# KiCad board mtt_final.kicad_pcb (continued)
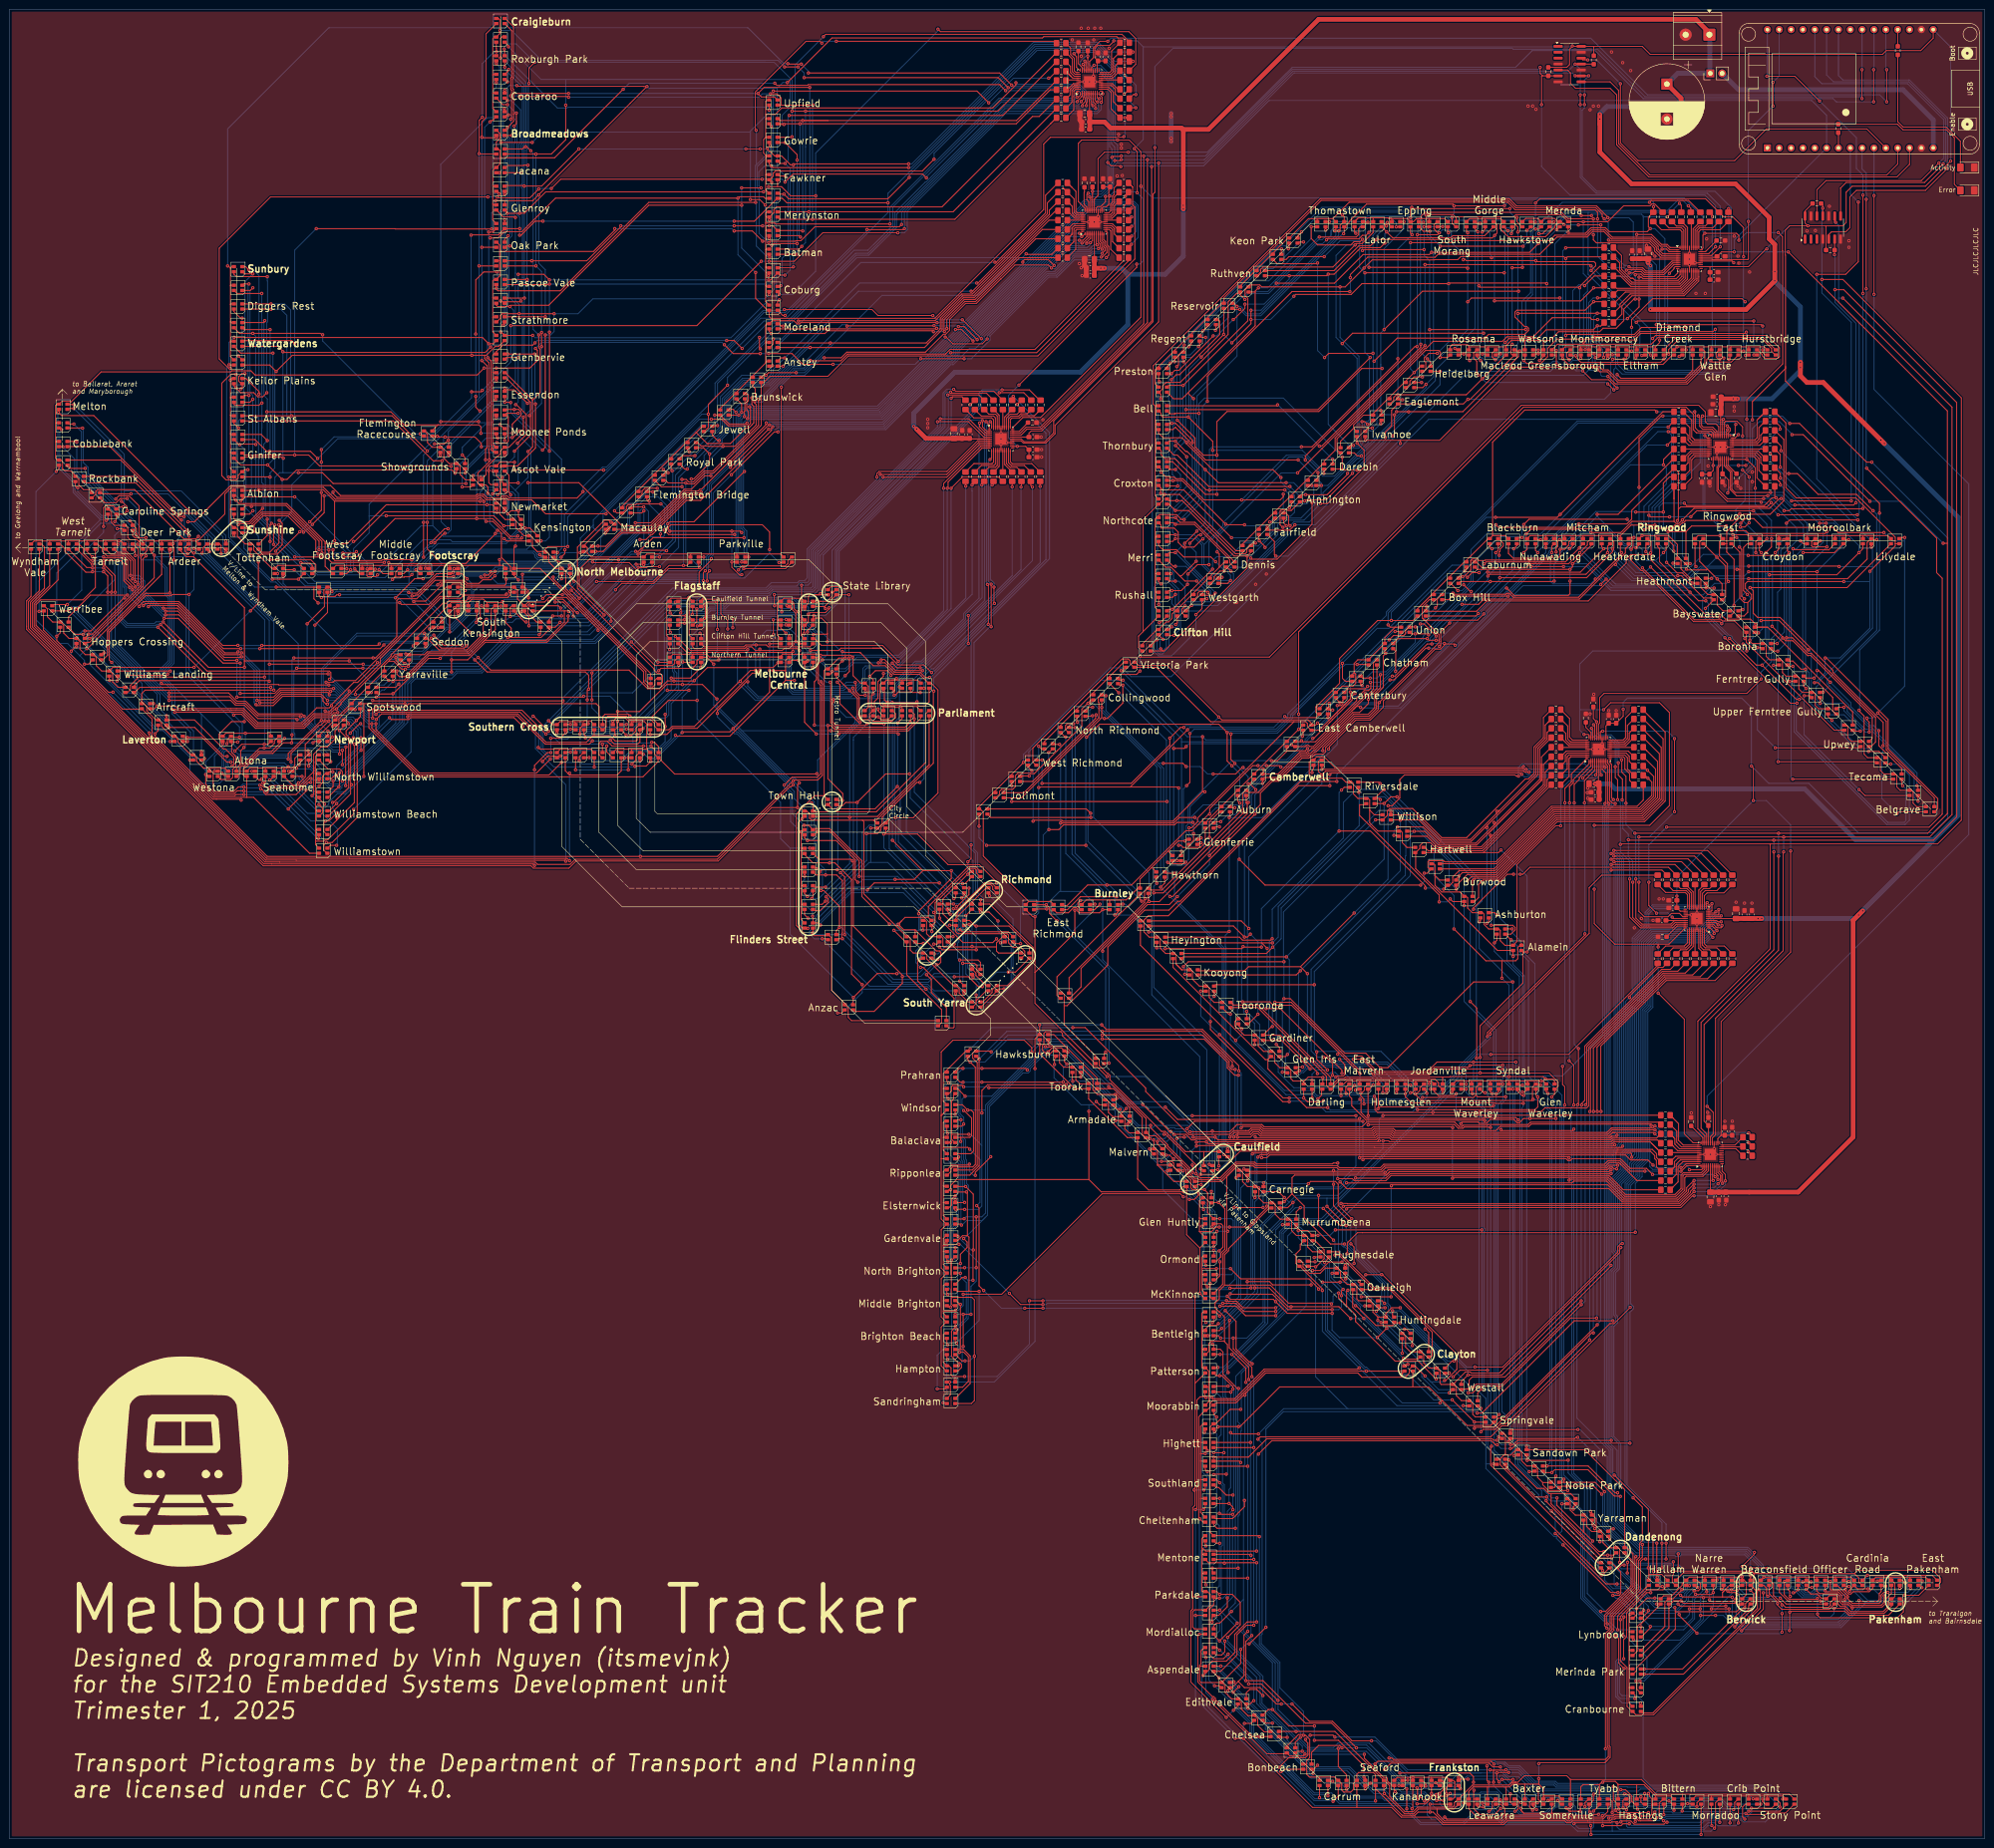
[diagram p0: board, top side]
## Routing (per net, layer and track width the routed paths; a pad name or vN(x,y) marks a point on that pad's centre or on a via; arc(x,y) is an arc through that point) (continued)
Net-(D105-GK): length 408.1
  Top w0.2: v1(207.4,333.73) 207.68,333.73 208.13,334.17 222.56,348.61 222.56,350.95 R28.2 ; v1(146.99,296.69) 144.39,296.69 D81.4 ; D129.4 96.99,268.5 v1(97.73,267.75) ; 96.09,264.5 95.68,264.09 v1(95.44,264.09) 95.44,262.16 v1(98.81,258.79) ; v1(166.24,317.67) 165.37,317.67 D75.4 ; v1(84.8,243.5) 76,243.5 ; 76,243.5 D117.4 ; 76,243.5 76,228.7 76,228.7 v1(76,227.9) ; D93.4 16.52,257.82 16.52,257.92 v1(17.02,258.42) 17.79,258.42 28.25,268.87 v1(28.25,275.35) 28.57,275.35 29.57,276.35 29.57,276.98 30.34,277.75 ; v1(139.39,274.95) D87.4 ; v1(134.81,275.55) 135.66,276.4 140.9,276.4 v1(140.9,276.3) ; R28.2 224.23,352.62 R28.2 ; D99.4 37.46,236.24 v1(38.19,236.24) 41.34,236.24 46.63,230.95 v1(47.5,230.95) ; v1(119.8,262.3) 119.8,261.22 115.27,256.69 102.06,256.69 98.27,252.9 v1(94.8,252.9) v1(94.8,250.3) ; D135.4 14.31,299.75 v1(14.46,299.6) ; D111.4 68.6,220.5 v1(70.17,222.07) ; v1(59.9,229) D105.4
  Bottom w0.2: v1(17.02,258.42) 17.29,258.42 26.89,248.82 26.89,246.68 37.34,236.24 v1(38.19,236.24) ; v1(207.4,333.73) 182.3,333.73 v1(166.24,317.67) 163.77,315.2 163.77,314.09 162.58,312.9 157.37,312.9 153.23,308.77 153.23,302.4 151.74,300.9 151.2,300.9 v1(146.99,296.69) 142.8,292.5 142.8,278.35 v1(139.39,274.95) ; v1(97.73,267.75) 97.54,267.75 96.09,266.31 96.09,264.74 v1(95.44,264.09) ; v1(84.8,243.5) 84.8,247.7 87.5,250.4 94.5,250.4 94.6,250.3 v1(94.8,250.3) ; v1(98.81,258.79) 95.66,255.64 95.66,255.36 94.8,254.5 v1(94.8,252.9) ; v1(119.8,262.3) 120.07,262.3 133.32,275.55 v1(134.81,275.55) ; v1(76,227.9) 72.3,224.2 ; 72.3,224.2 70.35,224.2 68.47,222.32 68.47,221.9 67.8,221.23 66.11,221.23 61.31,226.03 61.31,227.59 v1(59.9,229) 58.72,230.18 48.7,230.18 47.93,230.95 v1(47.5,230.95) ; 72.3,224.2 v1(70.17,222.07) ; v1(14.46,299.6) 14.46,293.22 27.29,280.39 27.31,280.39 28.61,279.09 28.61,275.71 v1(28.25,275.35)
Net-(D105-RK): length 436.9
  Top w0.2: v1(165.9,315.9) D75.1 ; 137.8,272.9 v1(139.39,272.9) ; 137.8,272.9 136.85,272.9 136.65,272.7 134.84,272.7 v1(134.81,272.72) ; 137.8,272.9 D87.1 ; 106.38,266.78 106.4,266.8 ; 106.38,266.78 v1(97.42,266.78) ; 106.38,266.78 v1(106.6,267) ; D135.1 21.55,298.65 36.55,283.65 v1(37.45,283.65) ; D129.1 96.67,266.93 97.27,266.93 v1(97.42,266.78) ; v1(74.4,239.88) 75.25,240.73 75.25,242.35 ; v1(97.42,266.78) 96.74,266.1 92.44,266.1 79.52,253.19 79.52,252.05 71.1,243.63 71.1,243.35 v1(70.12,242.38) 69.95,242.2 69.6,242.2 68.74,241.34 65.2,241.34 62.87,239.01 53.13,239.01 50.08,242.06 48.52,242.06 48.52,242.06 47.68,242.06 35.91,242.06 35.71,242.26 35.64,242.26 35.6,242.3 v1(34.86,242.3) ; R27.2 224.23,350.62 R27.2 ; R27.2 222.96,349.35 222.96,348.44 206.5,331.97 ; v1(62.74,227.9) D105.1 ; D141.1 30.45,275.96 v1(31.06,275.35) 31.06,270.51 17.21,256.66 16.46,256.66 D93.1 ; 75.2,240.68 73.41,238.89 72.2,237.68 72.2,236.9 73.16,235.94 73.16,226.3 v1(73.36,226.11) 73.16,225.91 73.16,224.13 68.43,219.4 ; v1(38.19,235.39) 37.22,235.39 ; v1(117,265.3) 118.75,265.3 120.91,263.13 v1(120.91,262.3) ; D81.1 144.77,293.84 v1(145.34,293.84) ; 96.38,263.4 96.38,262.98 v1(96.2,262.8)
  Bottom w0.2: v1(139.39,272.9) 143.49,277 143.49,291.98 v1(145.34,293.84) 145.34,293.93 153.64,302.23 153.64,308.6 157.53,312.5 162.75,312.5 165.9,315.65 v1(165.9,315.9) 165.97,315.9 182.05,331.97 v1(206.2,331.97) ; v1(62.74,227.9) 62.74,227.36 65.5,224.6 70.18,224.6 70.19,224.6 72.13,224.6 73.36,225.83 v1(73.36,226.11) ; v1(117,265.3) 115.5,266.8 106.8,266.8 v1(106.6,267) ; v1(96.2,262.8) 96.2,263.51 96.49,263.81 96.49,265.89 96.63,266.03 96.67,266.03 v1(97.42,266.78) ; v1(37.45,283.65) 37.52,283.57 37.52,275 37.52,275 31.41,275 v1(31.06,275.35) 33.82,272.6 33.82,266.98 34.49,266.31 34.49,252.48 32.8,250.79 32.8,248.49 32.85,248.45 34.86,246.44 v1(34.86,242.3) 34.86,241.34 38.84,237.36 38.84,236.03 v1(38.19,235.39) ; v1(134.81,272.72) 134.73,272.8 134,272.8 123.5,262.3 120.92,262.3 v1(120.91,262.3) ; v1(70.12,242.38) 70.52,242.38 71.17,241.73 71.17,240.84 71.4,240.61 73.68,240.61 v1(74.4,239.88)
Net-(D145-BK): length 533.8
  Top w0.2: 216.97,188.9 217.7,189.63 217.7,190.39 216.85,191.24 215.15,191.24 214.2,192.19 214.2,193.87 213.92,194.15 203.35,194.15 202.9,194.6 D211.2 ; v1(146.4,262.66) 146.5,262.75 D163.2 ; D169.2 v1(170.5,263.8) ; D145.2 4.65,266.51 3.71,265.57 3.71,260.11 3.7,260.1 3.7,259.43 54.44,208.7 111.85,208.7 112.35,208.2 119.98,208.2 121.5,209.72 151.95,209.72 163.43,221.2 v1(169,221.2) 169,226.1 169.36,226.46 v1(169.36,226.5) ; v1(130.4,239.7) 130.3,239.6 130.3,238.35 129.85,237.9 D157.2 129.83,237.47 v1(129.83,236.54) ; 172.01,266.85 D187.2 ; 172.01,266.85 173.64,266.85 v1(173.89,267.1) ; 172.01,266.85 171.63,266.85 171.3,266.52 171.3,265.05 170.6,264.35 ; v1(151.7,244.5) 148.6,247.6 v1(144.3,247.6) 140.9,247.6 135.1,241.8 v1(130.4,241.8) ; v1(201.59,195.95) 202.85,195.95 ; v1(201.2,309.73) 207.86,309.73 R42.2 ; D181.2 144.45,252.35 v1(144.35,252.45) ; v1(117.4,237.2) D151.2 ; v1(176.1,237.7) 176.15,237.65 192.68,237.65 195.4,240.37 D175.2 ; v1(171.21,195.29) 171.15,195.35 D193.2 170.05,195.35 169.1,196.3 169.1,217.95 v1(169.97,218.83) D199.2
  Bottom w0.2: v1(169.36,226.5) 169.4,226.54 169.4,226.55 168.4,227.55 167.18,227.55 156.36,238.36 ; 156.36,238.36 157.03,237.7 v1(176.1,237.7) ; 156.36,238.36 151.7,243.03 v1(151.7,244.5) ; v1(169,221.2) 169.97,220.22 v1(169.97,218.83) ; v1(130.4,239.7) v1(130.4,241.8) ; v1(117.4,237.2) 117.48,237.12 117.48,236.29 117.84,235.93 119.73,235.93 120.2,236.4 122.57,236.4 122.94,236.77 129.6,236.77 v1(129.83,236.54) ; 201.3,309.7 201.32,309.68 201.32,302.77 173.89,275.34 v1(173.89,267.1) ; v1(171.21,195.29) 180.09,204.17 191.36,204.17 199.58,195.95 v1(201.59,195.95) ; v1(144.3,247.6) 144.35,247.65 v1(144.35,252.45) 144.35,253.64 144.15,253.84 144.15,262.34 144.77,262.96 146.1,262.96 v1(146.4,262.66) 146.6,262.86 149.79,262.86 150.36,263.43 164.78,263.43 164.8,263.4 165.29,263.9 167.33,263.9 167.49,264.05 170.25,264.05 v1(170.5,263.8)
Net-(D145-GK): length 536.7
  Top w0.2: D169.4 174.09,265.45 ; 174.09,265.45 175.3,265.45 176.42,266.57 176.42,267.18 177.19,267.95 ; 174.09,265.45 v1(173.2,265.45) ; 172.46,220.29 185.86,220.29 196.45,230.88 196.45,241.32 197.13,242 ; 150.28,252.71 151.89,252.71 v1(152.08,252.9) ; 150.28,252.71 v1(151.02,251.97) ; 150.28,252.71 149.54,253.45 D181.4 ; v1(132.3,239.03) 131.23,239.03 ; v1(139.22,250.58) 139.71,251.08 146.44,251.08 147.42,252.06 147.42,252.68 148.19,253.45 ; 206.54,308.14 206.09,307.68 v1(205.99,307.68) ; v1(168.06,226.11) 167.65,225.7 167.37,225.7 151.79,210.12 121.33,210.12 120.22,209.01 113.24,209.01 112.75,209.5 58,209.5 57.98,209.52 54.8,209.52 4.51,259.81 4.51,265.24 7.54,268.26 7.54,277.11 6.9,277.75 D145.4 ; v1(154.01,259.5) 154.01,261.32 152.54,262.79 152.54,265.36 152,265.9 v1(148.75,265.9) D163.4 ; v1(120.3,239.03) 119.23,239.03 ; D199.4 172.3,221.86 v1(171.98,222.18) ; D211.4 205.83,197 207.04,195.78 v1(207.3,195.78) 214.34,195.78 218.7,191.42 D205.4 ; v1(173.9,196) 173.45,196.45 D193.4 172.3,197.81 v1(172.21,197.9) ; v1(207.3,190.7) 200,190.7 v1(199.4,191.3)
  Bottom w0.2: v1(139.22,250.58) 138.94,250.58 137.49,249.13 137.49,244.22 v1(132.3,239.03) 131.7,238.44 120.9,238.44 v1(120.3,239.03) ; v1(173.2,265.45) 169.13,265.45 168.28,266.3 153.38,266.3 153.01,265.92 148.77,265.92 v1(148.75,265.9) ; v1(207.3,190.7) v1(207.3,195.78) ; v1(176.4,267.4) 176.4,276.41 205.99,306 v1(205.99,307.68) ; v1(152.08,252.9) 154.01,254.83 v1(154.01,259.5) ; v1(172.21,197.9) 172.21,198.78 170.49,200.51 170.49,203.63 171.23,204.37 171.23,210.4 172.65,211.82 172.65,214.68 171.98,215.36 v1(171.98,222.18) 151.02,243.15 v1(151.02,251.97) ; v1(199.4,191.3) 199.4,195.2 191.66,202.94 180.46,202.94 173.9,196.37 v1(173.9,196)
Net-(D145-RK): length 523.6
  Top w0.2: 197.21,230.39 196.81,229.99 ; 196.81,229.99 197.2,230.38 D175.1 ; 196.81,229.99 186.11,219.29 180.16,219.29 ; v1(141.9,248.98) 145.98,248.98 v1(148.23,251.24) 148.3,251.3 D181.1 ; v1(151.81,259.4) 151.81,265.09 v1(151.6,265.3) 149.4,265.3 148.45,264.35 ; v1(132.24,236.77) 131.2,237.81 ; v1(182.4,239.47) 182.13,239.47 178.06,243.54 178.06,247.56 v1(177.51,248.11) ; v1(201.92,309.03) 202.23,309.33 204.26,309.33 R40.2 ; v1(202.6,184.9) 205.65,184.9 207.75,182.8 208.2,182.8 ; v1(116.1,233) 115.35,233 112.6,230.25 v1(112.6,229.3) ; v1(174.97,263.89) 174.8,264.07 174.8,264.34 ; 180.16,219.29 v1(180.16,219.09) ; 180.16,219.29 172.36,219.29 ; 174.8,264.34 172.31,264.34 ; 174.8,264.34 174.8,264.35 D187.1 v1(180,266.85) ; D145.1 6.45,267.75 4.11,265.4 4.11,259.59 54.58,209.12 56.2,209.12 56.22,209.1 112.3,209.1 v1(112.6,208.8) ; v1(172.21,194.33) 172.3,194.42 D193.1 ; 119.2,237.66 119.3,237.56 v1(119.3,237.3) 118.1,236.1 116.1,236.1 v1(116.08,236.08) ; v1(214.18,185.91) 215.71,185.91 D205.1 ; 208.2,182.8 v1(208.6,182.8) ; 208.2,182.8 208.5,182.8 ; v1(179.2,249.5) 180.1,250.4 180.1,253.18 v1(180,253.28) ; v1(178.19,207.23) 179.09,206.34 v1(179.09,193.94) ; v1(205.78,196.13) 204.93,196.13
  Bottom w0.2: v1(141.9,248.98) 141.9,246.37 132.3,236.77 v1(132.24,236.77) 131.41,237.6 120.83,237.6 120.53,237.3 v1(119.3,237.3) ; 174.49,265 174.34,264.85 169.16,264.85 168.11,265.9 153.83,265.9 153.45,265.52 151.92,265.52 151.7,265.3 v1(151.6,265.3) ; 174.49,265 174.49,264.38 v1(174.97,263.89) ; 174.49,265 174.49,275.37 201.92,302.8 v1(201.92,309.03) ; v1(205.78,196.13) 205.47,195.82 205.47,186.8 206.12,186.15 206.15,186.15 208.6,183.69 v1(208.6,182.8) 211.71,185.91 v1(214.18,185.91) ; v1(148.23,251.24) 151.81,254.81 v1(151.81,259.4) ; v1(179.2,249.5) 178.06,248.36 177.76,248.36 v1(177.51,248.11) ; v1(116.08,236.08) 116.1,236.05 v1(116.1,233) ; v1(178.19,207.23) 180.16,209.21 v1(180.16,219.09) 180.16,237.16 182.4,239.4 v1(182.4,239.47) ; v1(180,253.28) 180,266.8 ; v1(172.21,194.33) 172.6,193.94 v1(179.09,193.94) 179.09,193.91 189.31,183.69 196.99,183.69 198.2,184.9 v1(202.6,184.9) ; v1(112.6,229.3) v1(112.6,208.8)
Net-(D146-BK): length 502.7
  Top w0.2: v1(165.6,263.2) 165.6,264.15 ; D212.2 199.4,197.54 v1(199.46,197.48) 199.46,197.24 204.47,192.23 210.83,192.23 v1(211.65,193.05) ; v1(128.08,234.42) 128.08,233.14 129.32,231.9 ; D188.2 176.05,249.85 176.4,250.2 v1(176.4,250.4) ; D146.2 8.65,268.81 4.91,265.07 4.91,259.98 54.97,209.92 61.5,209.92 61.52,209.9 119.1,209.9 v1(119.3,209.7) ; D182.2 139.42,252.35 139.37,252.4 v1(139.04,252.4) ; v1(184.68,216.82) 186.08,216.82 ; v1(195.2,226.6) 194.57,226.6 187.14,219.18 187.14,217.78 186.18,216.82 ; v1(118.12,232.28) 117.78,232.28 D152.2 117.1,232.2 115.4,232.2 v1(114.3,231.1) ; v1(145.06,262.36) 142.28,262.36 v1(141.67,262.97) 141.6,263.04 D164.2 ; R45.2 215,309.2 v1(215.23,309.43) ; v1(186.33,252.27) 187.74,252.27 189.81,250.2 195.3,250.2 196.37,249.13 v1(197.3,249.13) ; v1(196.1,246.8) D176.2 ; D194.2 170.5,198.22 v1(171.22,197.49) ; v1(212.5,192.2) 213.2,192.2
  Bottom w0.2: 184.68,209.42 184.34,209.42 172.99,198.08 172.99,197.78 172.5,197.29 171.42,197.29 v1(171.22,197.49) ; 184.68,209.42 v1(184.68,216.82) ; 184.68,209.42 188.33,209.42 199.46,198.3 v1(199.46,197.48) ; v1(128.08,234.42) 127.67,234 120.28,234 118.56,232.28 v1(118.12,232.28) 115.79,232.28 114.44,233.62 114.44,237.28 122.98,245.82 133.6,245.82 137.54,249.76 137.54,249.76 138.79,251.01 138.79,251.73 139.04,251.97 v1(139.04,252.4) 139.04,260.33 v1(141.67,262.97) ; 164.6,263 168.52,263 173.14,258.38 173.14,253.25 175.99,250.4 v1(176.4,250.4) 179.2,250.4 181.07,252.27 v1(186.33,252.27) ; 164.6,263 165.4,263 v1(165.6,263.2) ; 164.6,263 151.64,263 151,262.36 151,262.36 148.75,262.36 147.97,261.58 145.82,261.58 145.06,262.34 v1(145.06,262.36) ; v1(119.3,209.7) 119.3,226.1 v1(114.3,231.1) ; v1(195.2,226.6) 195.3,226.6 196.1,227.4 v1(196.1,246.8) 196.1,247.94 v1(197.3,249.13) 197.53,249.13 205,256.6 205,256.65 205.35,257 205.4,257 223.02,274.62 223.02,301.64 v1(215.23,309.43) ; v1(211.65,193.05) v1(212.5,192.2)
Net-(D146-GK): length 493.8
  Top w0.2: v1(75.3,239.2) 75.1,239.2 v1(73.1,237.2) ; v1(183.78,215.62) 186.11,215.62 186.87,216.38 186.87,216.93 188.4,218.46 188.46,218.46 ; D194.4 174.28,200.45 v1(174.97,201.14) ; 182.48,254.38 185.23,251.64 187.8,251.64 189.64,249.8 195.13,249.8 197.03,247.9 ; 182.48,254.38 182.37,254.5 178.8,254.5 v1(178.6,254.7) ; 182.48,254.38 182.47,254.4 ; 177.53,251 177.53,251.62 v1(178.6,252.68) ; v1(169.15,263.22) 168.9,263.22 168.21,263.91 168.21,264.77 v1(167.87,265.11) 167.78,265.2 167.45,265.2 ; 133.4,256.7 138.4,251.7 142.2,251.7 142.65,252.15 142.65,252.77 143.33,253.45 ; D176.4 197.65,247.9 199.1,246.45 199.1,224.32 193.8,219.02 v1(190,219.02) 189.02,219.02 188.46,218.46 ; 188.46,218.46 D200.4 ; D206.4 214.15,194.55 204.25,194.55 v1(203.8,195) ; 131.29,233.09 130.48,233.09 v1(130.42,233.15) ; v1(116,231.6) 113,228.6 87.93,228.6 78.6,237.93 v1(78.6,239.2) ; v1(70.8,232.7) v1(70.8,235.4) ; v1(120.3,233.09) 119.29,233.09 ; D146.4 10.9,277.75 11.9,276.75 11.9,276.2 16.4,271.7 17.75,271.7 v1(17.85,271.8) 17.9,271.75 17.9,271.7 ; v1(142.8,265.3) 143.55,265.3 ; R44.2 211.06,310.54 202.86,310.54 v1(202.47,310.94) ; v1(20.2,271.8) 21.1,270.9 v1(21.1,267.4) ; v1(202.43,200.51) 201.21,200.51 ; v1(34.26,244.2) 47.47,244.2 48.47,243.2 50.37,243.2 53.27,240.3 61.4,240.3 61.6,240.1 v1(61.7,240.1)
  Bottom w0.2: v1(78.6,239.2) 78.6,239 78.18,238.58 75.92,238.58 v1(75.3,239.2) ; v1(178.6,252.68) v1(178.6,254.7) 178.29,254.7 174.09,258.89 173.19,258.89 169.15,262.94 v1(169.15,263.22) ; v1(202.47,310.94) 200.98,310.94 200.2,310.15 200.2,302.97 173.53,276.3 173.5,276.3 173.09,275.89 173.09,268.29 172.3,267.5 163.75,267.5 162.95,266.7 148.5,266.7 147.4,265.6 ; v1(70.8,232.7) 70.4,233.1 69.28,233.1 62.28,240.1 v1(61.7,240.1) ; 147.4,265.6 148.2,265.6 148.5,265.3 150.76,265.3 151.42,264.63 153.13,264.63 154,265.5 167.48,265.5 v1(167.87,265.11) ; 147.4,265.6 143.2,265.6 142.9,265.3 v1(142.8,265.3) 141.89,265.3 v1(133.35,256.75) 114.04,237.45 114.04,233.48 114.03,233.46 115.82,231.68 118.88,231.68 v1(120.3,233.09) 120.65,233.45 130.13,233.45 v1(130.42,233.15) ; v1(17.85,271.8) 20.2,271.8 ; 204.04,195.5 204.04,195.2 ; 204.04,195.5 204.04,195.24 v1(203.8,195) ; 204.04,195.5 204.04,200.16 203.6,200.6 202.52,200.6 v1(202.43,200.51) 190,212.94 v1(190,219.02) ; v1(34.26,244.2) 34.14,244.2 21.1,257.24 v1(21.1,267.4) ; v1(183.78,215.62) 183.78,209.86 175.06,201.14 v1(174.97,201.14) ; v1(70.8,235.4) 71.3,235.4 v1(73.1,237.2)
Net-(D146-RK): length 532.4
  Top w0.2: D164.1 144.03,263.72 144.03,263.07 v1(143.92,262.96) ; v1(166.7,264.5) 167.05,264.5 167.67,263.88 ; v1(166.7,264.5) 166.7,264.4 ; v1(166.7,264.5) 166.85,264.35 D170.1 167.67,263.88 ; D146.1 10.45,270.04 5.31,264.91 5.31,260.14 55.14,210.32 72.9,210.32 72.92,210.3 119.6,210.3 v1(120.1,209.8) ; v1(175.11,202.04) 175.57,201.57 175.57,200.84 173.83,199.1 172.06,199.1 172.3,199.34 ; D176.1 197.2,243.9 196.3,243 194.97,243 194.67,243.3 191.23,243.3 191.03,243.1 187.93,243.1 187.7,243.33 v1(187.56,243.33) ; 119.75,228.55 119.2,229.1 D152.1 ; 119.75,228.55 119.8,228.6 v1(120.1,228.6) ; 119.75,228.55 120.1,228.2 130.3,228.2 131.2,229.1 D158.1 131.87,231.9 v1(131.9,231.87) ; v1(143.5,251.7) 143.5,252 143.4,252.1 ; D188.1 177.3,249.16 v1(180.18,246.28) 181.8,244.66 181.8,240.42 182.16,240.07 184.15,240.07 185.09,239.13 v1(187.53,239.13) ; v1(164,266.9) 164,264.55 v1(164.05,264.5) ; R43.2 209.46,310.13 202,310.13 v1(201.8,310.33) ; D206.1 215.58,192.02 v1(216.8,192.02) ; v1(140.6,241.2) v1(140.6,238.6) ; D200.1 187.9,215.96 v1(187.47,215.52) 194.7,215.52 201.26,208.97 207.95,208.97 211.66,205.26 v1(211.66,204.99) ; v1(168.61,256.81) 168.61,262.94 167.67,263.88 ; D212.1 201.2,198.84 v1(201.73,198.31)
  Bottom w0.2: v1(187.47,215.52) 187.47,221.96 187.53,222.03 187.53,243.3 v1(187.56,243.33) ; v1(187.47,215.52) 185.57,217.42 184.38,217.42 182.84,215.88 182.84,209.77 v1(175.11,202.04) ; v1(187.47,215.52) 187.47,212.57 v1(201.73,198.31) ; v1(120.1,209.8) v1(120.1,228.6) ; v1(211.66,204.99) 216.8,199.85 v1(216.8,192.02) ; v1(164,266.9) 172.5,266.9 173.49,267.89 173.49,275.69 200.6,302.8 200.6,309.98 200.95,310.33 v1(201.8,310.33) ; 133.45,233.64 131.9,232.1 v1(131.9,231.87) ; 133.45,233.64 138.89,233.64 140.6,235.35 v1(140.6,238.6) ; 133.45,233.64 137.79,233.64 137.8,233.63 137.93,233.63 ; v1(166.7,264.5) 166.5,264.7 163.8,264.7 ; 163.8,264.7 163.85,264.7 v1(164.05,264.5) ; 163.8,264.7 154.33,264.7 153.46,263.83 150.19,263.83 149.63,263.26 146.39,263.26 146.29,263.36 144.32,263.36 v1(143.92,262.96) 143.92,262.89 143.61,262.57 143.61,252.31 143.5,252.2 v1(143.5,251.7) 143.5,246.39 140.9,243.79 140.9,241.5 v1(140.6,241.2) ; 180.2,246.2 179.98,245.98 168.02,245.98 167.24,246.76 167.24,252.93 168.61,254.3 v1(168.61,256.81)
Net-(D147-BK): length 467.2
  Top w0.2: v1(173.72,207.35) 174.23,207.86 v1(177.51,207.86) ; 207.28,179.75 209.43,181.9 D207.2 ; 207.28,179.75 v1(207.28,181) ; 207.28,179.75 207.28,179.17 206.51,178.4 ; v1(147.4,263.86) 147.4,262.38 147.38,262.36 147.38,261.12 146.61,260.35 ; 22,267.4 v1(21.9,267.4) 22,267.5 22,270.9 20.3,272.6 v1(20.2,272.6) ; D195.2 170.5,202.74 v1(171.11,202.13) ; v1(62.4,240.7) 62.4,240.7 62.2,240.9 53.23,240.9 50.53,243.6 48.63,243.6 47.23,245 v1(34.26,245) ; 177.63,220.93 176.42,220.93 D189.2 ; 177.63,220.93 v1(177.63,220.89) ; 177.63,220.93 185.61,220.93 v1(190.39,225.72) ; v1(173,237) 170.5,239.5 D183.2 171.05,252.35 171.16,252.46 v1(171.16,252.69) ; v1(170.35,258.5) 170.4,258.55 170.4,260.25 ; D147.2 16.6,272.7 17.75,272.7 v1(17.85,272.6) ; v1(205.07,198.05) 206.4,199.38 ; v1(81.5,240.5) 81.9,240.1 85.65,240.1 86.05,240.5 108.2,240.5 v1(110.1,238.6) ; v1(212.85,310.81) 218.69,310.81 220.91,308.59 ; v1(177.8,237) 178.04,237.24 190.36,237.24 v1(190.6,237) ; v1(190.45,239.36) 191.4,240.31 D177.2 ; v1(132.3,238.03) 133.27,238.03 ; v1(120.3,238.03) 121.27,238.03 ; v1(175.75,264.07) 175.7,264.01 175.7,263.77 174.95,263.02 171.63,263.02 v1(171.31,262.71) 171.31,261.05 170.61,260.35 ; v1(112.3,240.8) 112.4,240.8 115.59,237.61 v1(115.59,237.58) ; v1(71.4,233.5) v1(71.4,230.4)
  Bottom w0.2: v1(147.4,263.86) 147.46,263.8 149.6,263.8 150.03,264.23 153.29,264.23 154.16,265.1 167,265.1 167.65,264.45 171.05,264.45 171.31,264.19 v1(171.31,262.71) ; v1(147.4,263.86) 147.29,263.86 146.86,264.29 143.79,264.29 143.32,263.82 143.32,263.76 140.43,260.87 140.43,246.17 v1(132.3,238.03) v1(120.3,238.03) 116.05,238.03 v1(115.59,237.58) ; v1(147.4,263.86) 147.49,263.86 ; v1(71.4,230.4) v1(81.5,240.5) ; v1(21.9,267.4) 21.9,257.1 34,245 v1(34.26,245) ; v1(177.51,207.86) 177.63,207.98 v1(177.63,220.89) ; v1(173,237) v1(177.8,237) ; v1(207.28,181) 207.3,181.02 207.3,183.28 205.07,185.51 v1(205.07,198.05) 205.07,201.78 204.05,202.8 202.4,202.8 200.86,204.34 200.86,205.81 191.01,215.66 191.01,225.1 v1(190.39,225.72) 190.45,225.78 v1(190.45,239.36) ; v1(71.4,233.5) 69.44,233.5 62.74,240.2 62.74,240.36 v1(62.4,240.7) ; v1(17.85,272.6) 20.2,272.6 ; v1(173.72,207.35) 173.72,204.73 v1(171.11,202.13) ; v1(112.3,240.8) v1(110.1,238.6) ; v1(212.85,310.81) 208.56,310.81 207.93,310.18 207.93,307.3 177.1,276.47 177.1,265.13 176.03,264.07 v1(175.75,264.07) ; v1(170.35,258.5) 170.47,258.37 170.47,255.48 171.16,254.8 171.16,252.69 v1(171.16,252.69)
Net-(D147-GK): length 472.5
  Top w0.2: D207.4 213.98,183 219.46,188.48 219.46,191.23 210.19,200.5 D213.4 208.2,201.37 v1(208.26,201.42) ; 175.4,258.5 175.4,256.8 v1(175.37,256.77) ; 175.4,258.5 175.4,260.6 174.14,261.86 172.3,261.86 ; 175.4,258.5 175.3,258.4 172.47,258.4 v1(172.37,258.3) ; v1(20.2,274.2) 23.9,274.2 24.56,273.54 24.56,269.84 25.8,268.6 v1(25.8,268.44) ; v1(54.13,255.97) 78.97,255.97 v1(79.3,256.3) ; v1(174.97,204.13) 172.62,204.13 D195.4 ; v1(173.74,253.5) 173.69,253.45 173,253.45 ; 177.52,222.73 v1(178.61,222.73) 178.68,222.8 178.68,224.2 175.49,227.39 v1(175.49,238.8) 176.13,238.8 176.89,238.05 192.51,238.05 194.02,239.56 v1(194.02,240.2) 194.02,241.26 193.28,242 ; v1(123.9,244.3) 123.9,246.3 v1(124.2,246.6) 124.2,249.6 123.5,250.3 102.4,250.3 v1(99.8,252.9) ; 219.1,308.6 217.49,310.21 v1(212.23,310.21) ; v1(122.32,237) 122.32,237.64 122.32,237.64 122.32,238.23 123.09,239 ; v1(124.1,239.2) 123.9,239 D153.4 ; v1(172.46,262.42) 172.3,262.26 172.3,261.86 ; v1(97.06,256.02) 93.18,256.02 v1(91,258.2) ; 172.3,261.86 D171.4 ; 135.09,239 134.32,238.23 134.32,237.62 133.24,236.54 v1(133.1,236.54) ; D201.4 208.67,179.5 210.7,181.53 210.7,182.09 211.6,183 ; v1(17.85,274.2) 17.5,274.2 15.9,275.8 15.9,276.75 14.9,277.75 D147.4 ; v1(149.37,264.43) 149.2,264.25 149.2,261.96 v1(149,261.76) 148.74,261.5 148.35,261.5 ; v1(27.85,264.35) 27.85,264.5 28.73,265.38 36.35,265.38 45.74,256 v1(49,256) ; 173,253.45 173.05,253.4 173.05,248.65 172.6,248.2 v1(172.6,238.9) ; 173,253.45 D183.4
  Bottom w0.2: v1(54.13,255.97) 49.03,255.97 v1(49,256) ; v1(149,261.76) 149.2,261.96 151.17,261.96 151.81,262.6 168.21,262.6 172.2,258.61 172.2,258.47 v1(172.37,258.3) 172.2,258.3 ; v1(172.46,262.42) 174.96,262.42 177.5,264.97 177.5,276.3 208.33,307.13 208.33,310.02 208.72,310.41 212.04,310.41 v1(212.23,310.21) ; v1(25.8,268.44) 25.8,267.65 26,267.45 26,266.2 v1(27.85,264.35) ; v1(97.06,256.02) 97.4,255.67 97.4,255.3 v1(99.8,252.9) ; v1(91,258.2) 90.25,258.2 88.95,256.9 79.9,256.9 v1(79.3,256.3) ; v1(173.74,253.5) 174.8,253.5 174.8,253.5 175.37,254.07 v1(175.37,256.77) ; v1(122.32,237) 122.49,237.17 130.87,237.17 131.9,236.14 132.7,236.14 v1(133.1,236.54) ; v1(172.6,238.9) 172.7,238.8 v1(175.49,238.8) ; v1(208.26,201.42) 207.16,202.52 207.16,211.36 194.02,224.5 v1(194.02,240.2) ; v1(178.61,222.73) 176.44,220.56 176.44,205.6 v1(174.97,204.13) ; v1(20.2,274.2) 20.2,274.2 v1(17.85,274.2) ; v1(124.1,239.2) 123.9,239.4 v1(123.9,244.3) ; v1(124.2,246.6) 142.29,264.69 149.11,264.69 v1(149.37,264.43)
Net-(D147-RK): length 497.6
  Top w0.2: v1(125,235.5) 124.3,234.8 114.93,234.8 108.84,240.9 85.6,240.9 85.4,240.7 v1(85.4,240.7) ; v1(63.2,240.8) 62.7,241.3 53.4,241.3 50.7,244 48.8,244 47,245.8 v1(34.26,245.8) ; v1(216.08,307.7) 216.98,308.59 ; D171.1 171.11,259.16 v1(171.11,258.86) ; D195.1 172.3,201.98 v1(172.04,201.72) ; v1(72.16,234.2) 72.1,234.14 v1(72.1,225.9) ; D213.1 v1(208.2,198.8) 210.03,198.8 v1(211.96,196.87) ; 186.95,255.4 187.37,254.97 ; 186.95,255.4 185.1,255.4 ; 186.95,255.4 185.1,255.4 ; 186.95,255.4 187.37,254.97 ; 187.37,254.97 190.55,251.8 196.1,251.8 v1(197.73,250.17) ; v1(20.2,273.4) 20.25,273.4 22.7,270.95 v1(22.7,267.4) ; v1(128.84,235.69) 129.72,234.82 134.72,234.82 135.2,235.3 D159.1 135.46,238.16 v1(135.84,238.16) ; v1(17.8,273.4) 17.7,273.4 D147.1 ; D183.1 172.3,251.33 v1(172.21,251.24) ; v1(213.24,182.3) 212.1,182.3 D207.1 ; D177.1 193.2,239.59 v1(193.14,239.53) 192.06,238.45 177.05,238.45 176.09,239.41 176.09,248.01 v1(176,248.1) ; 185.1,255.4 178.3,255.4 177.8,254.9 v1(171.76,254.9) ; 208.3,178.4 211.7,181.8 ; v1(147.5,260.18) 148.12,260.18 ; D153.1 123.2,236.9 123.56,236.54 123.56,236.54 123.56,236.23 v1(123.5,236.17) ; v1(155.1,261.7) v1(155.1,259.8) ; D189.1 177.56,221.59 178.61,221.59 179.32,222.3 v1(181.76,222.3) 187.89,228.43 v1(192.98,228.43)
  Bottom w0.2: v1(85.4,240.7) 85.4,239.49 72.1,226.19 v1(72.1,225.9) ; v1(135.84,238.16) 138.08,240.4 140.7,240.4 141.39,241.09 141.39,243.71 146.24,248.56 146.24,257.99 147.5,259.25 v1(147.5,260.18) 154.72,260.18 v1(155.1,259.8) ; v1(63.2,240.8) 63.2,240.31 69.31,234.2 v1(72.16,234.2) ; v1(211.96,196.87) 211.96,194.65 214.78,191.83 214.78,183.85 v1(213.24,182.3) ; v1(216.08,307.7) 222.25,301.52 222.25,274.42 205.23,257.4 205.18,257.4 204.6,256.82 204.6,256.77 198.33,250.5 198.05,250.5 v1(197.73,250.17) ; v1(208.2,198.8) 207.18,198.8 206.62,199.37 206.62,209.79 193.14,223.26 193.14,228.43 ; v1(22.7,267.4) 22.7,256.9 32,247.6 32,247.6 32.35,247.24 32.36,247.24 33.8,245.8 v1(34.26,245.8) ; v1(17.8,273.4) v1(20.2,273.4) ; v1(181.76,222.3) 181.76,209.91 173.57,201.72 v1(172.04,201.72) ; 193.14,228.43 v1(192.98,228.43) ; 193.14,228.43 v1(193.14,239.53) ; v1(123.5,236.17) 123.56,236.17 124.24,235.49 128.64,235.49 v1(128.84,235.69) ; v1(155.1,261.7) 155.4,261.7 155.85,262.15 167.81,262.15 v1(171.11,258.86) 171.11,255.55 v1(171.76,254.9) 171.76,251.7 v1(172.21,251.24) 172.21,251.06 175.18,248.1 v1(176,248.1)
Net-(D148-BK): length 481.6
  Top w0.2: v1(190.85,247.08) 190.97,246.97 191.23,246.97 ; v1(49.6,255.3) 45.87,255.3 36.19,264.98 29.18,264.98 v1(28.74,264.54) ; v1(174.26,193.05) 175.3,193.05 ; v1(17.8,275) 16.65,276.15 D148.2 ; v1(189.3,252.2) 190.3,251.2 195.27,251.2 v1(195.27,251.2) ; D154.2 v1(121.4,229.3) ; D214.2 202.9,202.06 v1(202.51,201.68) ; v1(80.3,256.1) 79.5,255.3 v1(53.7,255.3) ; v1(164.8,252.3) 163.74,251.24 149.65,251.24 v1(146.85,248.44) 146.77,248.36 142.51,248.36 v1(142.5,248.37) 141.1,248.37 139.43,246.7 136.87,246.7 132.86,250.7 103.2,250.7 v1(100.5,253.4) ; v1(98,255.9) 97.52,255.42 92.58,255.42 v1(90.45,257.55) ; v1(216.89,289.97) 217,290.08 R51.2 ; D208.2 206.4,185.04 v1(206.62,184.82) ; v1(166.49,258.62) 165.4,259.72 D172.2 ; v1(183.94,203.54) 185.44,205.04 v1(199.38,205.04) ; v1(20.2,275) 20.44,274.76 24.27,274.76 24.97,274.07 24.97,270.13 26.4,268.7 v1(26.4,267.9) ; v1(141.72,258.8) 141.6,258.92 D166.2 ; v1(132.7,229.3) v1(132.7,231.93) 133.37,231.93 ; v1(202.88,181.28) 202.88,181.88 ; v1(170.5,206.5) 170.5,207.34
  Bottom w0.2: v1(98,255.9) v1(100.5,253.4) ; v1(164.8,252.3) 166.5,252.3 166.49,252.31 ; v1(17.8,275) v1(20.2,275) ; v1(206.62,184.82) 207.9,183.54 207.9,180.65 207.1,179.85 202.9,179.85 ; v1(189.3,252.2) 188.29,251.19 183.89,251.19 183.4,250.7 183.4,248.55 180.35,245.5 167.93,245.5 166.84,246.59 166.84,251.96 166.49,252.31 ; v1(141.72,258.8) 142.18,258.34 142.18,250.42 142.5,250.11 v1(142.5,248.37) ; v1(49.6,255.3) v1(53.7,255.3) ; 202.9,179.85 202.88,179.87 v1(202.88,181.28) ; 202.9,179.85 199.77,179.85 196.74,182.89 184.42,182.89 v1(174.26,193.05) 172.61,193.05 171.57,194.1 ; v1(80.3,256.1) 80.7,256.5 89.4,256.5 v1(90.45,257.55) ; v1(28.74,264.54) 28.6,264.69 28.6,264.8 26.4,267 v1(26.4,267.9) ; v1(202.51,201.68) 202.51,201.91 v1(199.38,205.04) 190.6,213.81 190.6,219.27 189.78,220.1 189.78,239.54 190.85,240.61 v1(190.85,247.08) 190.85,247.51 194.54,251.2 v1(195.27,251.2) 195.8,251.2 216.89,272.3 v1(216.89,289.97) ; 171.57,194.1 171.25,193.78 170.08,193.78 169.72,194.14 169.72,205.02 170.5,205.8 v1(170.5,206.5) ; 171.57,194.1 171.57,194.61 180.5,203.54 v1(183.94,203.54) ; v1(166.49,258.62) 166.49,252.31 ; v1(132.7,229.3) v1(121.4,229.3) ; v1(146.85,248.44) 141.88,243.47 141.88,236.07 139.04,233.23 136.6,233.23 136.59,233.24 133.61,233.24 132.7,232.33 v1(132.7,231.93)